# KiCad board ShinyAddOn_panel_2.kicad_pcb
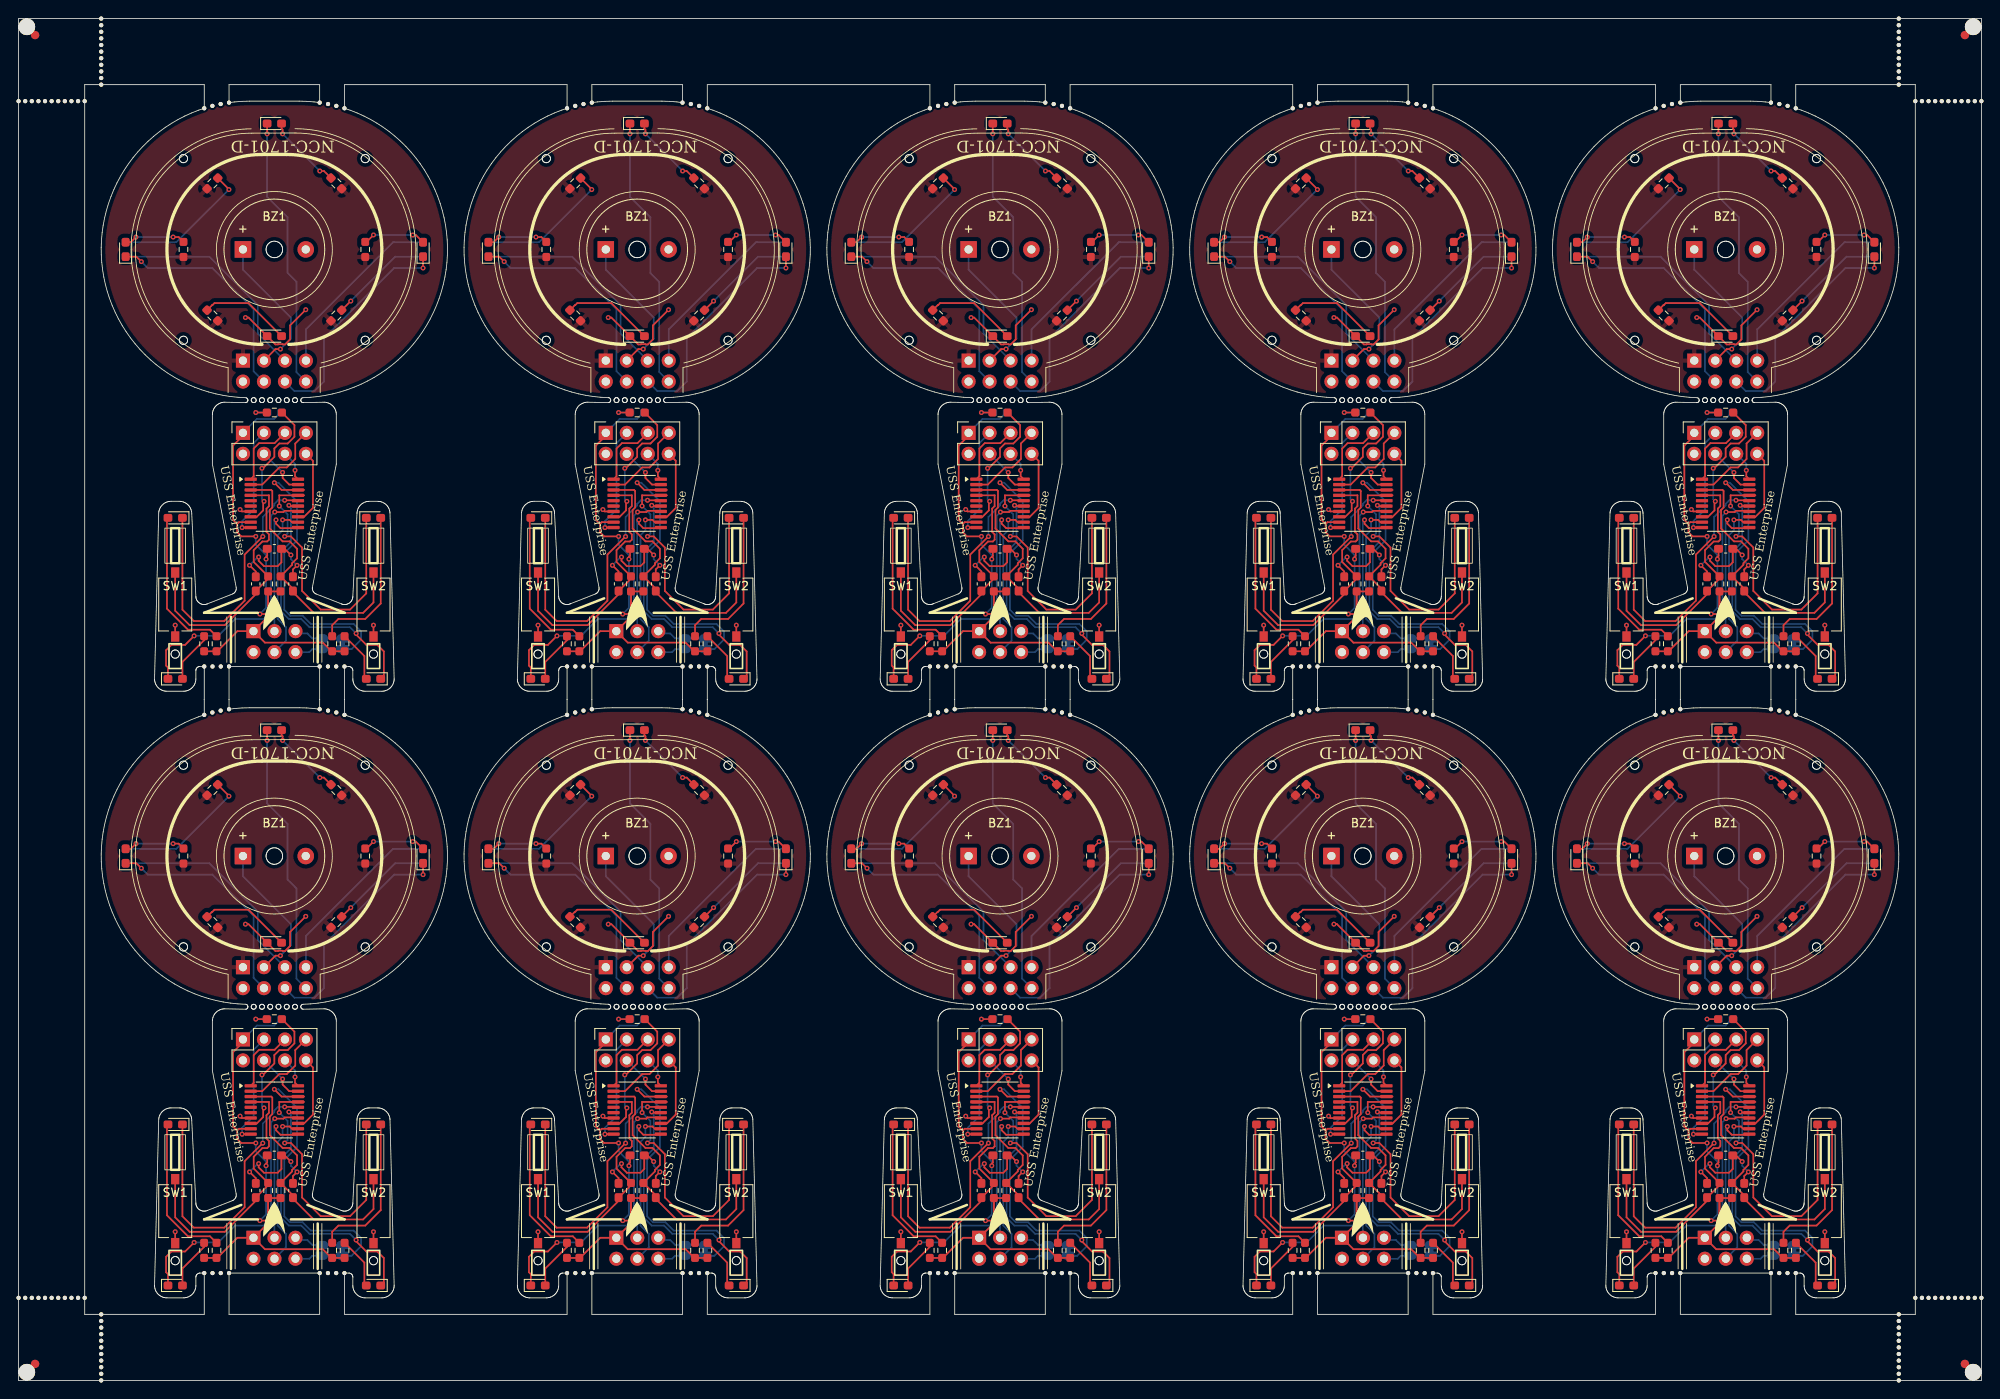
[diagram p0: board, top side]
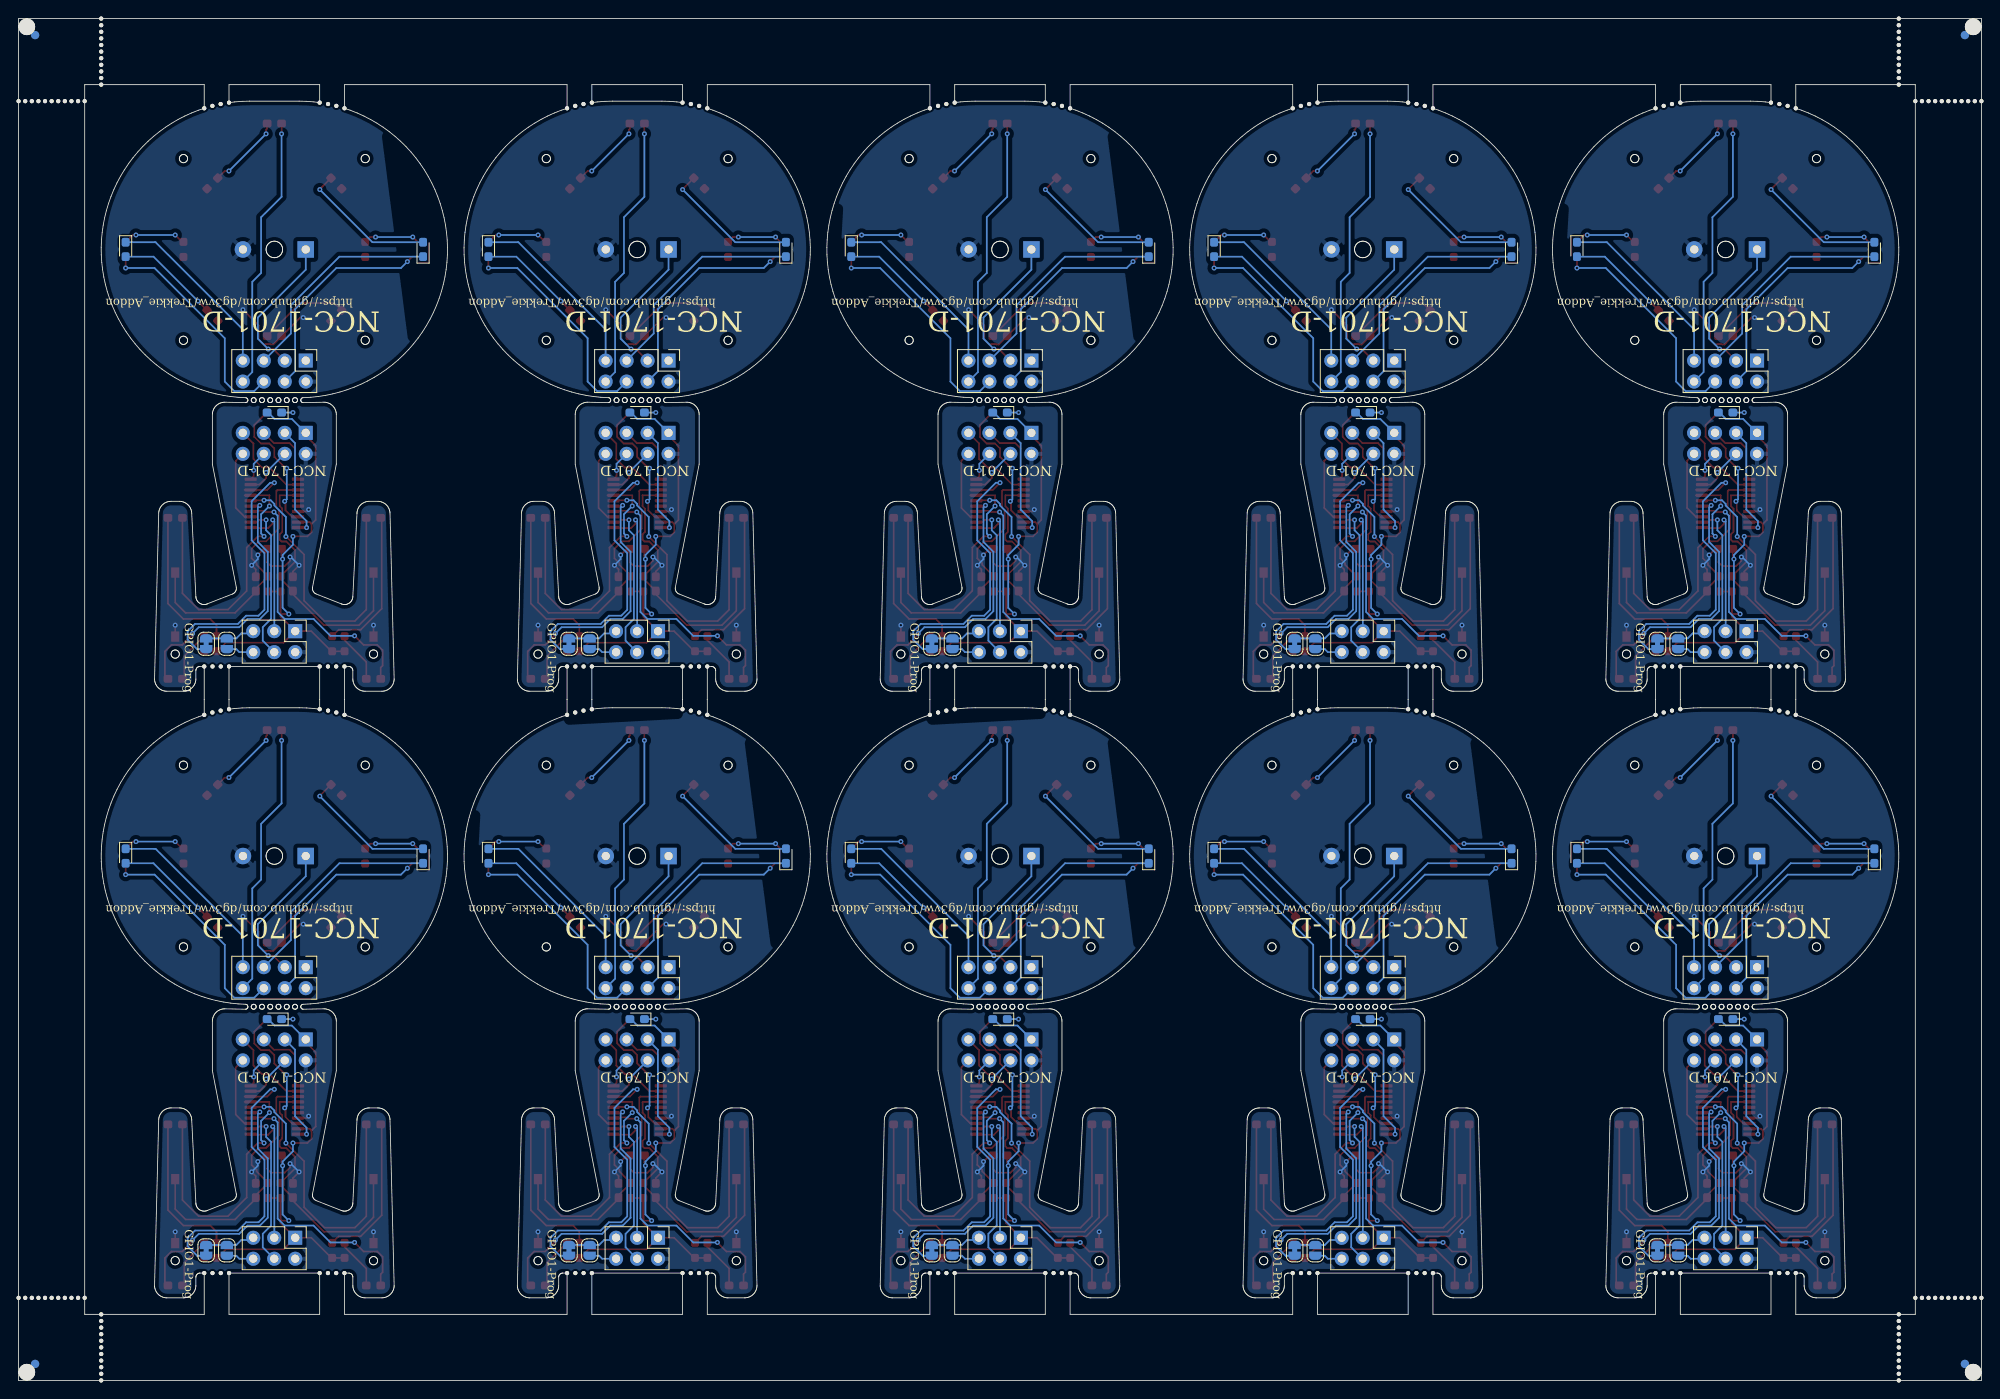
[diagram p1: board, bottom side, seen from below]

Outline 237.57 x 164.91 mm; copper layers: Top, Bottom. Coordinates in mm from the lower left corner of the outline.

## Placement (name value [footprint] x y rotation side)
BZ1  Buzzer  [Buzzer_12x9.5RM7.6]  202.81 136.96 0 top
BZ1#2  Buzzer  [Buzzer_12x9.5RM7.6]  71.07 136.96 0 top
BZ1#3  Buzzer  [Buzzer_12x9.5RM7.6]  27.16 136.96 0 top
BZ1#4  Buzzer  [Buzzer_12x9.5RM7.6]  27.16 63.5 0 top
BZ1#5  Buzzer  [Buzzer_12x9.5RM7.6]  202.81 63.5 0 top
BZ1#6  Buzzer  [Buzzer_12x9.5RM7.6]  114.98 136.96 0 top
BZ1#7  Buzzer  [Buzzer_12x9.5RM7.6]  158.9 136.96 0 top
BZ1#8  Buzzer  [Buzzer_12x9.5RM7.6]  114.98 63.5 0 top
BZ1#9  Buzzer  [Buzzer_12x9.5RM7.6]  158.9 63.5 0 top
BZ1#10  Buzzer  [Buzzer_12x9.5RM7.6]  71.07 63.5 0 top
C1  1nF  [C_0603_1608Metric_Pad1.08x0.95mm_HandSolder]  204.36 96.46 90 top
C1#2  1nF  [C_0603_1608Metric_Pad1.08x0.95mm_HandSolder]  72.62 96.46 90 top
C1#3  1nF  [C_0603_1608Metric_Pad1.08x0.95mm_HandSolder]  160.45 23 90 top
C1#4  1nF  [C_0603_1608Metric_Pad1.08x0.95mm_HandSolder]  160.45 96.46 90 top
C1#5  1nF  [C_0603_1608Metric_Pad1.08x0.95mm_HandSolder]  204.36 23 90 top
C1#6  1nF  [C_0603_1608Metric_Pad1.08x0.95mm_HandSolder]  116.53 96.46 90 top
C1#7  1nF  [C_0603_1608Metric_Pad1.08x0.95mm_HandSolder]  116.53 23 90 top
C1#8  1nF  [C_0603_1608Metric_Pad1.08x0.95mm_HandSolder]  28.71 23 90 top
C1#9  1nF  [C_0603_1608Metric_Pad1.08x0.95mm_HandSolder]  72.62 23 90 top
C1#10  1nF  [C_0603_1608Metric_Pad1.08x0.95mm_HandSolder]  28.71 96.46 90 top
C2  1nF  [C_0603_1608Metric_Pad1.08x0.95mm_HandSolder]  121.03 96.46 90 top
C2#2  1nF  [C_0603_1608Metric_Pad1.08x0.95mm_HandSolder]  164.95 96.46 90 top
C2#3  1nF  [C_0603_1608Metric_Pad1.08x0.95mm_HandSolder]  33.21 96.46 90 top
C2#4  1nF  [C_0603_1608Metric_Pad1.08x0.95mm_HandSolder]  164.95 23 90 top
C2#5  1nF  [C_0603_1608Metric_Pad1.08x0.95mm_HandSolder]  208.86 23 90 top
C2#6  1nF  [C_0603_1608Metric_Pad1.08x0.95mm_HandSolder]  208.86 96.46 90 top
C2#7  1nF  [C_0603_1608Metric_Pad1.08x0.95mm_HandSolder]  121.03 23 90 top
C2#8  1nF  [C_0603_1608Metric_Pad1.08x0.95mm_HandSolder]  33.21 23 90 top
C2#9  1nF  [C_0603_1608Metric_Pad1.08x0.95mm_HandSolder]  77.12 96.46 90 top
C2#10  1nF  [C_0603_1608Metric_Pad1.08x0.95mm_HandSolder]  77.12 23 90 top
C3  100nF  [C_0603_1608Metric_Pad1.08x0.95mm_HandSolder]  30.96 100.71 0 top
C3#2  100nF  [C_0603_1608Metric_Pad1.08x0.95mm_HandSolder]  162.7 100.71 0 top
C3#3  100nF  [C_0603_1608Metric_Pad1.08x0.95mm_HandSolder]  206.61 100.71 0 top
C3#4  100nF  [C_0603_1608Metric_Pad1.08x0.95mm_HandSolder]  118.78 27.25 0 top
C3#5  100nF  [C_0603_1608Metric_Pad1.08x0.95mm_HandSolder]  74.87 27.25 0 top
C3#6  100nF  [C_0603_1608Metric_Pad1.08x0.95mm_HandSolder]  118.78 100.71 0 top
C3#7  100nF  [C_0603_1608Metric_Pad1.08x0.95mm_HandSolder]  206.61 27.25 0 top
C3#8  100nF  [C_0603_1608Metric_Pad1.08x0.95mm_HandSolder]  162.7 27.25 0 top
C3#9  100nF  [C_0603_1608Metric_Pad1.08x0.95mm_HandSolder]  74.87 100.71 0 top
C3#10  100nF  [C_0603_1608Metric_Pad1.08x0.95mm_HandSolder]  30.96 27.25 0 top
D1  blue front powerled  [LED_0603_1608Metric_Pad1.05x0.95mm_HandSolder]  30.96 126.46 0 top
D1#2  blue front powerled  [LED_0603_1608Metric_Pad1.05x0.95mm_HandSolder]  30.96 53 0 top
D1#3  blue front powerled  [LED_0603_1608Metric_Pad1.05x0.95mm_HandSolder]  74.87 53 0 top
D1#4  blue front powerled  [LED_0603_1608Metric_Pad1.05x0.95mm_HandSolder]  118.78 53 0 top
D1#5  blue front powerled  [LED_0603_1608Metric_Pad1.05x0.95mm_HandSolder]  74.87 126.46 0 top
D1#6  blue front powerled  [LED_0603_1608Metric_Pad1.05x0.95mm_HandSolder]  162.7 126.46 0 top
D1#7  blue front powerled  [LED_0603_1608Metric_Pad1.05x0.95mm_HandSolder]  118.78 126.46 0 top
D1#8  blue front powerled  [LED_0603_1608Metric_Pad1.05x0.95mm_HandSolder]  206.61 53 0 top
D1#9  blue front powerled  [LED_0603_1608Metric_Pad1.05x0.95mm_HandSolder]  206.61 126.46 0 top
D1#10  blue front powerled  [LED_0603_1608Metric_Pad1.05x0.95mm_HandSolder]  162.7 53 0 top
D2  lower front LED  [LED_0603_1608Metric_Pad1.05x0.95mm_HandSolder]  118.78 117.21 0 bottom
D2#2  lower front LED  [LED_0603_1608Metric_Pad1.05x0.95mm_HandSolder]  74.87 43.75 0 bottom
D2#3  lower front LED  [LED_0603_1608Metric_Pad1.05x0.95mm_HandSolder]  30.96 43.75 0 bottom
D2#4  lower front LED  [LED_0603_1608Metric_Pad1.05x0.95mm_HandSolder]  30.96 117.21 0 bottom
D2#5  lower front LED  [LED_0603_1608Metric_Pad1.05x0.95mm_HandSolder]  206.61 117.21 0 bottom
D2#6  lower front LED  [LED_0603_1608Metric_Pad1.05x0.95mm_HandSolder]  162.7 117.21 0 bottom
D2#7  lower front LED  [LED_0603_1608Metric_Pad1.05x0.95mm_HandSolder]  74.87 117.21 0 bottom
D2#8  lower front LED  [LED_0603_1608Metric_Pad1.05x0.95mm_HandSolder]  206.61 43.75 0 bottom
D2#9  lower front LED  [LED_0603_1608Metric_Pad1.05x0.95mm_HandSolder]  118.78 43.75 0 bottom
D2#10  lower front LED  [LED_0603_1608Metric_Pad1.05x0.95mm_HandSolder]  162.7 43.75 0 bottom
D3  LED blue right  [LED_0603_1608Metric_Pad1.05x0.95mm_HandSolder]  42.96 84.96 180 top
D3#2  LED blue right  [LED_0603_1608Metric_Pad1.05x0.95mm_HandSolder]  86.87 11.5 180 top
D3#3  LED blue right  [LED_0603_1608Metric_Pad1.05x0.95mm_HandSolder]  86.87 84.96 180 top
D3#4  LED blue right  [LED_0603_1608Metric_Pad1.05x0.95mm_HandSolder]  218.61 84.96 180 top
D3#5  LED blue right  [LED_0603_1608Metric_Pad1.05x0.95mm_HandSolder]  130.78 11.5 180 top
D3#6  LED blue right  [LED_0603_1608Metric_Pad1.05x0.95mm_HandSolder]  42.96 11.5 180 top
D3#7  LED blue right  [LED_0603_1608Metric_Pad1.05x0.95mm_HandSolder]  174.7 84.96 180 top
D3#8  LED blue right  [LED_0603_1608Metric_Pad1.05x0.95mm_HandSolder]  218.61 11.5 180 top
D3#9  LED blue right  [LED_0603_1608Metric_Pad1.05x0.95mm_HandSolder]  174.7 11.5 180 top
D3#10  LED blue right  [LED_0603_1608Metric_Pad1.05x0.95mm_HandSolder]  130.78 84.96 180 top
D4  LED blue left  [LED_0603_1608Metric_Pad1.05x0.95mm_HandSolder]  106.78 11.5 0 top
D4#2  LED blue left  [LED_0603_1608Metric_Pad1.05x0.95mm_HandSolder]  150.7 84.96 0 top
D4#3  LED blue left  [LED_0603_1608Metric_Pad1.05x0.95mm_HandSolder]  150.7 11.5 0 top
D4#4  LED blue left  [LED_0603_1608Metric_Pad1.05x0.95mm_HandSolder]  194.61 84.96 0 top
D4#5  LED blue left  [LED_0603_1608Metric_Pad1.05x0.95mm_HandSolder]  62.87 84.96 0 top
D4#6  LED blue left  [LED_0603_1608Metric_Pad1.05x0.95mm_HandSolder]  18.96 84.96 0 top
D4#7  LED blue left  [LED_0603_1608Metric_Pad1.05x0.95mm_HandSolder]  62.87 11.5 0 top
D4#8  LED blue left  [LED_0603_1608Metric_Pad1.05x0.95mm_HandSolder]  194.61 11.5 0 top
D4#9  LED blue left  [LED_0603_1608Metric_Pad1.05x0.95mm_HandSolder]  18.96 11.5 0 top
D4#10  LED blue left  [LED_0603_1608Metric_Pad1.05x0.95mm_HandSolder]  106.78 84.96 0 top
D5  LED blue front  [LED_0603_1608Metric_Pad1.05x0.95mm_HandSolder]  206.61 152.21 0 top
D5#2  LED blue front  [LED_0603_1608Metric_Pad1.05x0.95mm_HandSolder]  30.96 152.21 0 top
D5#3  LED blue front  [LED_0603_1608Metric_Pad1.05x0.95mm_HandSolder]  162.7 78.75 0 top
D5#4  LED blue front  [LED_0603_1608Metric_Pad1.05x0.95mm_HandSolder]  30.96 78.75 0 top
D5#5  LED blue front  [LED_0603_1608Metric_Pad1.05x0.95mm_HandSolder]  118.78 152.21 0 top
D5#6  LED blue front  [LED_0603_1608Metric_Pad1.05x0.95mm_HandSolder]  162.7 152.21 0 top
D5#7  LED blue front  [LED_0603_1608Metric_Pad1.05x0.95mm_HandSolder]  206.61 78.75 0 top
D5#8  LED blue front  [LED_0603_1608Metric_Pad1.05x0.95mm_HandSolder]  74.87 152.21 0 top
D5#9  LED blue front  [LED_0603_1608Metric_Pad1.05x0.95mm_HandSolder]  118.78 78.75 0 top
D5#10  LED blue front  [LED_0603_1608Metric_Pad1.05x0.95mm_HandSolder]  74.87 78.75 0 top
D6  LED red left  [LED_0603_1608Metric_Pad1.05x0.95mm_HandSolder]  106.78 104.46 180 top
D6#2  LED red left  [LED_0603_1608Metric_Pad1.05x0.95mm_HandSolder]  62.87 31 180 top
D6#3  LED red left  [LED_0603_1608Metric_Pad1.05x0.95mm_HandSolder]  18.96 31 180 top
D6#4  LED red left  [LED_0603_1608Metric_Pad1.05x0.95mm_HandSolder]  18.96 104.46 180 top
D6#5  LED red left  [LED_0603_1608Metric_Pad1.05x0.95mm_HandSolder]  150.7 104.46 180 top
D6#6  LED red left  [LED_0603_1608Metric_Pad1.05x0.95mm_HandSolder]  150.7 31 180 top
D6#7  LED red left  [LED_0603_1608Metric_Pad1.05x0.95mm_HandSolder]  106.78 31 180 top
D6#8  LED red left  [LED_0603_1608Metric_Pad1.05x0.95mm_HandSolder]  194.61 104.46 180 top
D6#9  LED red left  [LED_0603_1608Metric_Pad1.05x0.95mm_HandSolder]  194.61 31 180 top
D6#10  LED red left  [LED_0603_1608Metric_Pad1.05x0.95mm_HandSolder]  62.87 104.46 180 top
D7  LED red right  [LED_0603_1608Metric_Pad1.05x0.95mm_HandSolder]  86.87 104.46 0 top
D7#2  LED red right  [LED_0603_1608Metric_Pad1.05x0.95mm_HandSolder]  174.7 31 0 top
D7#3  LED red right  [LED_0603_1608Metric_Pad1.05x0.95mm_HandSolder]  42.96 104.46 0 top
D7#4  LED red right  [LED_0603_1608Metric_Pad1.05x0.95mm_HandSolder]  218.61 31 0 top
D7#5  LED red right  [LED_0603_1608Metric_Pad1.05x0.95mm_HandSolder]  174.7 104.46 0 top
D7#6  LED red right  [LED_0603_1608Metric_Pad1.05x0.95mm_HandSolder]  86.87 31 0 top
D7#7  LED red right  [LED_0603_1608Metric_Pad1.05x0.95mm_HandSolder]  42.96 31 0 top
D7#8  LED red right  [LED_0603_1608Metric_Pad1.05x0.95mm_HandSolder]  218.61 104.46 0 top
D7#9  LED red right  [LED_0603_1608Metric_Pad1.05x0.95mm_HandSolder]  130.78 104.46 0 top
D7#10  LED red right  [LED_0603_1608Metric_Pad1.05x0.95mm_HandSolder]  130.78 31 0 top
D8  LED dish top left  [LED_0603_1608Metric_Pad1.05x0.95mm_HandSolder]  188.61 136.96 90 top
D8#2  LED dish top left  [LED_0603_1608Metric_Pad1.05x0.95mm_HandSolder]  12.96 136.96 90 top
D8#3  LED dish top left  [LED_0603_1608Metric_Pad1.05x0.95mm_HandSolder]  100.78 136.96 90 top
D8#4  LED dish top left  [LED_0603_1608Metric_Pad1.05x0.95mm_HandSolder]  144.7 136.96 90 top
D8#5  LED dish top left  [LED_0603_1608Metric_Pad1.05x0.95mm_HandSolder]  12.96 63.5 90 top
D8#6  LED dish top left  [LED_0603_1608Metric_Pad1.05x0.95mm_HandSolder]  56.87 63.5 90 top
D8#7  LED dish top left  [LED_0603_1608Metric_Pad1.05x0.95mm_HandSolder]  144.7 63.5 90 top
D8#8  LED dish top left  [LED_0603_1608Metric_Pad1.05x0.95mm_HandSolder]  100.78 63.5 90 top
D8#9  LED dish top left  [LED_0603_1608Metric_Pad1.05x0.95mm_HandSolder]  188.61 63.5 90 top
D8#10  LED dish top left  [LED_0603_1608Metric_Pad1.05x0.95mm_HandSolder]  56.87 136.96 90 top
D9  LED dish top right  [LED_0603_1608Metric_Pad1.05x0.95mm_HandSolder]  180.7 63.5 90 top
D9#2  LED dish top right  [LED_0603_1608Metric_Pad1.05x0.95mm_HandSolder]  48.96 63.5 90 top
D9#3  LED dish top right  [LED_0603_1608Metric_Pad1.05x0.95mm_HandSolder]  224.61 63.5 90 top
D9#4  LED dish top right  [LED_0603_1608Metric_Pad1.05x0.95mm_HandSolder]  136.78 63.5 90 top
D9#5  LED dish top right  [LED_0603_1608Metric_Pad1.05x0.95mm_HandSolder]  136.78 136.96 90 top
D9#6  LED dish top right  [LED_0603_1608Metric_Pad1.05x0.95mm_HandSolder]  224.61 136.96 90 top
D9#7  LED dish top right  [LED_0603_1608Metric_Pad1.05x0.95mm_HandSolder]  92.87 136.96 90 top
D9#8  LED dish top right  [LED_0603_1608Metric_Pad1.05x0.95mm_HandSolder]  92.87 63.5 90 top
D9#9  LED dish top right  [LED_0603_1608Metric_Pad1.05x0.95mm_HandSolder]  180.7 136.96 90 top
D9#10  LED dish top right  [LED_0603_1608Metric_Pad1.05x0.95mm_HandSolder]  48.96 136.96 90 top
D10  LED dish bottom left  [LED_0603_1608Metric_Pad1.05x0.95mm_HandSolder]  188.61 63.5 90 bottom
D10#2  LED dish bottom left  [LED_0603_1608Metric_Pad1.05x0.95mm_HandSolder]  12.96 63.5 90 bottom
D10#3  LED dish bottom left  [LED_0603_1608Metric_Pad1.05x0.95mm_HandSolder]  56.87 136.96 90 bottom
D10#4  LED dish bottom left  [LED_0603_1608Metric_Pad1.05x0.95mm_HandSolder]  144.7 136.96 90 bottom
D10#5  LED dish bottom left  [LED_0603_1608Metric_Pad1.05x0.95mm_HandSolder]  56.87 63.5 90 bottom
D10#6  LED dish bottom left  [LED_0603_1608Metric_Pad1.05x0.95mm_HandSolder]  144.7 63.5 90 bottom
D10#7  LED dish bottom left  [LED_0603_1608Metric_Pad1.05x0.95mm_HandSolder]  12.96 136.96 90 bottom
D10#8  LED dish bottom left  [LED_0603_1608Metric_Pad1.05x0.95mm_HandSolder]  100.78 63.5 90 bottom
D10#9  LED dish bottom left  [LED_0603_1608Metric_Pad1.05x0.95mm_HandSolder]  100.78 136.96 90 bottom
D10#10  LED dish bottom left  [LED_0603_1608Metric_Pad1.05x0.95mm_HandSolder]  188.61 136.96 90 bottom
D11  LED dish bottom right  [LED_0603_1608Metric_Pad1.05x0.95mm_HandSolder]  48.96 136.96 270 bottom
D11#2  LED dish bottom right  [LED_0603_1608Metric_Pad1.05x0.95mm_HandSolder]  224.61 63.5 270 bottom
D11#3  LED dish bottom right  [LED_0603_1608Metric_Pad1.05x0.95mm_HandSolder]  224.61 136.96 270 bottom
D11#4  LED dish bottom right  [LED_0603_1608Metric_Pad1.05x0.95mm_HandSolder]  180.7 136.96 270 bottom
D11#5  LED dish bottom right  [LED_0603_1608Metric_Pad1.05x0.95mm_HandSolder]  92.87 136.96 270 bottom
D11#6  LED dish bottom right  [LED_0603_1608Metric_Pad1.05x0.95mm_HandSolder]  136.78 63.5 270 bottom
D11#7  LED dish bottom right  [LED_0603_1608Metric_Pad1.05x0.95mm_HandSolder]  136.78 136.96 270 bottom
D11#8  LED dish bottom right  [LED_0603_1608Metric_Pad1.05x0.95mm_HandSolder]  48.96 63.5 270 bottom
D11#9  LED dish bottom right  [LED_0603_1608Metric_Pad1.05x0.95mm_HandSolder]  180.7 63.5 270 bottom
D11#10  LED dish bottom right  [LED_0603_1608Metric_Pad1.05x0.95mm_HandSolder]  92.87 63.5 270 bottom
J1  Conn_02x04_Odd_Even  [PinHeader_2x04_P2.54mm_Vertical]  158.9 50.04 270 bottom
J1#2  Conn_02x04_Odd_Even  [PinHeader_2x04_P2.54mm_Vertical]  158.9 123.5 270 bottom
J1#3  Conn_02x04_Odd_Even  [PinHeader_2x04_P2.54mm_Vertical]  114.98 50.04 270 bottom
J1#4  Conn_02x04_Odd_Even  [PinHeader_2x04_P2.54mm_Vertical]  114.98 123.5 270 bottom
J1#5  Conn_02x04_Odd_Even  [PinHeader_2x04_P2.54mm_Vertical]  202.81 123.5 270 bottom
J1#6  Conn_02x04_Odd_Even  [PinHeader_2x04_P2.54mm_Vertical]  71.07 123.5 270 bottom
J1#7  Conn_02x04_Odd_Even  [PinHeader_2x04_P2.54mm_Vertical]  27.16 123.5 270 bottom
J1#8  Conn_02x04_Odd_Even  [PinHeader_2x04_P2.54mm_Vertical]  71.07 50.04 270 bottom
J1#9  Conn_02x04_Odd_Even  [PinHeader_2x04_P2.54mm_Vertical]  202.81 50.04 270 bottom
J1#10  Conn_02x04_Odd_Even  [PinHeader_2x04_P2.54mm_Vertical]  27.16 50.04 270 bottom
J3  GPIO  [SolderJumper-2_P1.3mm_Open_RoundedPad1.0x1.5mm]  124.53 89.21 90 bottom
J3#2  GPIO  [SolderJumper-2_P1.3mm_Open_RoundedPad1.0x1.5mm]  168.45 89.21 90 bottom
J3#3  GPIO  [SolderJumper-2_P1.3mm_Open_RoundedPad1.0x1.5mm]  124.53 15.75 90 bottom
J3#4  GPIO  [SolderJumper-2_P1.3mm_Open_RoundedPad1.0x1.5mm]  36.71 89.21 90 bottom
J3#5  GPIO  [SolderJumper-2_P1.3mm_Open_RoundedPad1.0x1.5mm]  80.62 89.21 90 bottom
J3#6  GPIO  [SolderJumper-2_P1.3mm_Open_RoundedPad1.0x1.5mm]  168.45 15.75 90 bottom
J3#7  GPIO  [SolderJumper-2_P1.3mm_Open_RoundedPad1.0x1.5mm]  80.62 15.75 90 bottom
J3#8  GPIO  [SolderJumper-2_P1.3mm_Open_RoundedPad1.0x1.5mm]  212.36 15.75 90 bottom
J3#9  GPIO  [SolderJumper-2_P1.3mm_Open_RoundedPad1.0x1.5mm]  36.71 15.75 90 bottom
J3#10  GPIO  [SolderJumper-2_P1.3mm_Open_RoundedPad1.0x1.5mm]  212.36 89.21 90 bottom
J4  saucer connetion  [PinSocket_2x04_P2.54mm_Vertical]  27.16 41.29 90 top
J4#2  saucer connetion  [PinSocket_2x04_P2.54mm_Vertical]  158.9 41.29 90 top
J4#3  saucer connetion  [PinSocket_2x04_P2.54mm_Vertical]  202.81 41.29 90 top
J4#4  saucer connetion  [PinSocket_2x04_P2.54mm_Vertical]  114.98 41.29 90 top
J4#5  saucer connetion  [PinSocket_2x04_P2.54mm_Vertical]  158.9 114.75 90 top
J4#6  saucer connetion  [PinSocket_2x04_P2.54mm_Vertical]  71.07 114.75 90 top
J4#7  saucer connetion  [PinSocket_2x04_P2.54mm_Vertical]  114.98 114.75 90 top
J4#8  saucer connetion  [PinSocket_2x04_P2.54mm_Vertical]  27.16 114.75 90 top
J4#9  saucer connetion  [PinSocket_2x04_P2.54mm_Vertical]  71.07 41.29 90 top
J4#10  saucer connetion  [PinSocket_2x04_P2.54mm_Vertical]  202.81 114.75 90 top
J5  SAO Connector  [PinHeader_2x03_P2.54mm_Vertical]  116.26 17.28 270 bottom
J5#2  SAO Connector  [PinHeader_2x03_P2.54mm_Vertical]  72.34 17.28 270 bottom
J5#3  SAO Connector  [PinHeader_2x03_P2.54mm_Vertical]  204.09 17.28 270 bottom
J5#4  SAO Connector  [PinHeader_2x03_P2.54mm_Vertical]  160.17 90.73 270 bottom
J5#5  SAO Connector  [PinHeader_2x03_P2.54mm_Vertical]  28.43 90.73 270 bottom
J5#6  SAO Connector  [PinHeader_2x03_P2.54mm_Vertical]  116.26 90.73 270 bottom
J5#7  SAO Connector  [PinHeader_2x03_P2.54mm_Vertical]  204.09 90.73 270 bottom
J5#8  SAO Connector  [PinHeader_2x03_P2.54mm_Vertical]  28.43 17.28 270 bottom
J5#9  SAO Connector  [PinHeader_2x03_P2.54mm_Vertical]  72.34 90.73 270 bottom
J5#10  SAO Connector  [PinHeader_2x03_P2.54mm_Vertical]  160.17 17.28 270 bottom
JP1  Jumper_2_Bridged  [SolderJumper-2_P1.3mm_Bridged_RoundedPad1.0x1.5mm]  214.86 15.75 270 bottom
JP1#2  Jumper_2_Bridged  [SolderJumper-2_P1.3mm_Bridged_RoundedPad1.0x1.5mm]  83.12 89.21 270 bottom
JP1#3  Jumper_2_Bridged  [SolderJumper-2_P1.3mm_Bridged_RoundedPad1.0x1.5mm]  214.86 89.21 270 bottom
JP1#4  Jumper_2_Bridged  [SolderJumper-2_P1.3mm_Bridged_RoundedPad1.0x1.5mm]  170.95 15.75 270 bottom
JP1#5  Jumper_2_Bridged  [SolderJumper-2_P1.3mm_Bridged_RoundedPad1.0x1.5mm]  127.03 15.75 270 bottom
JP1#6  Jumper_2_Bridged  [SolderJumper-2_P1.3mm_Bridged_RoundedPad1.0x1.5mm]  39.21 15.75 270 bottom
JP1#7  Jumper_2_Bridged  [SolderJumper-2_P1.3mm_Bridged_RoundedPad1.0x1.5mm]  83.12 15.75 270 bottom
JP1#8  Jumper_2_Bridged  [SolderJumper-2_P1.3mm_Bridged_RoundedPad1.0x1.5mm]  39.21 89.21 270 bottom
JP1#9  Jumper_2_Bridged  [SolderJumper-2_P1.3mm_Bridged_RoundedPad1.0x1.5mm]  127.03 89.21 270 bottom
JP1#10  Jumper_2_Bridged  [SolderJumper-2_P1.3mm_Bridged_RoundedPad1.0x1.5mm]  170.95 89.21 270 bottom
KiKit_FID_B_1  -  [Fiducial]  2 162.91 0 bottom
KiKit_FID_B_2  -  [Fiducial]  235.57 162.91 0 bottom
KiKit_FID_B_3  -  [Fiducial]  2 2 0 bottom
KiKit_FID_B_4  -  [Fiducial]  235.57 2 0 bottom
KiKit_FID_T_1  -  [Fiducial]  2 162.91 0 top
KiKit_FID_T_2  -  [Fiducial]  235.57 162.91 0 top
KiKit_FID_T_3  -  [Fiducial]  2 2 0 top
KiKit_FID_T_4  -  [Fiducial]  235.57 2 0 top
KiKit_MB_1_1  -  [NPTH]  22.47 154.05 0 top
KiKit_MB_1_2  -  [NPTH]  23.46 154.34 0 top
KiKit_MB_1_3  -  [NPTH]  24.46 154.57 0 top
KiKit_MB_1_4  -  [NPTH]  25.47 154.74 0 top
KiKit_MB_2_1  -  [NPTH]  36.44 154.74 0 top
KiKit_MB_2_2  -  [NPTH]  37.45 154.57 0 top
KiKit_MB_2_3  -  [NPTH]  38.45 154.34 0 top
KiKit_MB_2_4  -  [NPTH]  39.44 154.05 0 top
KiKit_MB_3_1  -  [NPTH]  25.47 86.46 0 top
KiKit_MB_3_2  -  [NPTH]  24.47 86.46 0 top
KiKit_MB_3_3  -  [NPTH]  23.47 86.46 0 top
KiKit_MB_3_4  -  [NPTH]  22.47 86.46 0 top
KiKit_MB_4_1  -  [NPTH]  39.44 86.46 0 top
KiKit_MB_4_2  -  [NPTH]  38.44 86.46 0 top
KiKit_MB_4_3  -  [NPTH]  37.44 86.46 0 top
KiKit_MB_4_4  -  [NPTH]  36.44 86.46 0 top
KiKit_MB_5_1  -  [NPTH]  66.38 154.05 0 top
KiKit_MB_5_2  -  [NPTH]  67.37 154.34 0 top
KiKit_MB_5_3  -  [NPTH]  68.37 154.57 0 top
KiKit_MB_5_4  -  [NPTH]  69.38 154.74 0 top
KiKit_MB_6_1  -  [NPTH]  80.35 154.74 0 top
KiKit_MB_6_2  -  [NPTH]  81.37 154.57 0 top
KiKit_MB_6_3  -  [NPTH]  82.37 154.34 0 top
KiKit_MB_6_4  -  [NPTH]  83.35 154.05 0 top
KiKit_MB_7_1  -  [NPTH]  69.38 86.46 0 top
KiKit_MB_7_2  -  [NPTH]  68.38 86.46 0 top
KiKit_MB_7_3  -  [NPTH]  67.38 86.46 0 top
KiKit_MB_7_4  -  [NPTH]  66.38 86.46 0 top
KiKit_MB_8_1  -  [NPTH]  83.35 86.46 0 top
KiKit_MB_8_2  -  [NPTH]  82.35 86.46 0 top
KiKit_MB_8_3  -  [NPTH]  81.35 86.46 0 top
KiKit_MB_8_4  -  [NPTH]  80.35 86.46 0 top
KiKit_MB_9_1  -  [NPTH]  110.3 154.05 0 top
KiKit_MB_9_2  -  [NPTH]  111.28 154.34 0 top
KiKit_MB_9_3  -  [NPTH]  112.29 154.57 0 top
KiKit_MB_9_4  -  [NPTH]  113.3 154.74 0 top
KiKit_MB_10_1  -  [NPTH]  124.27 154.74 0 top
KiKit_MB_10_2  -  [NPTH]  125.28 154.57 0 top
KiKit_MB_10_3  -  [NPTH]  126.28 154.34 0 top